# KiCad board srvant-mk2.kicad_pcb
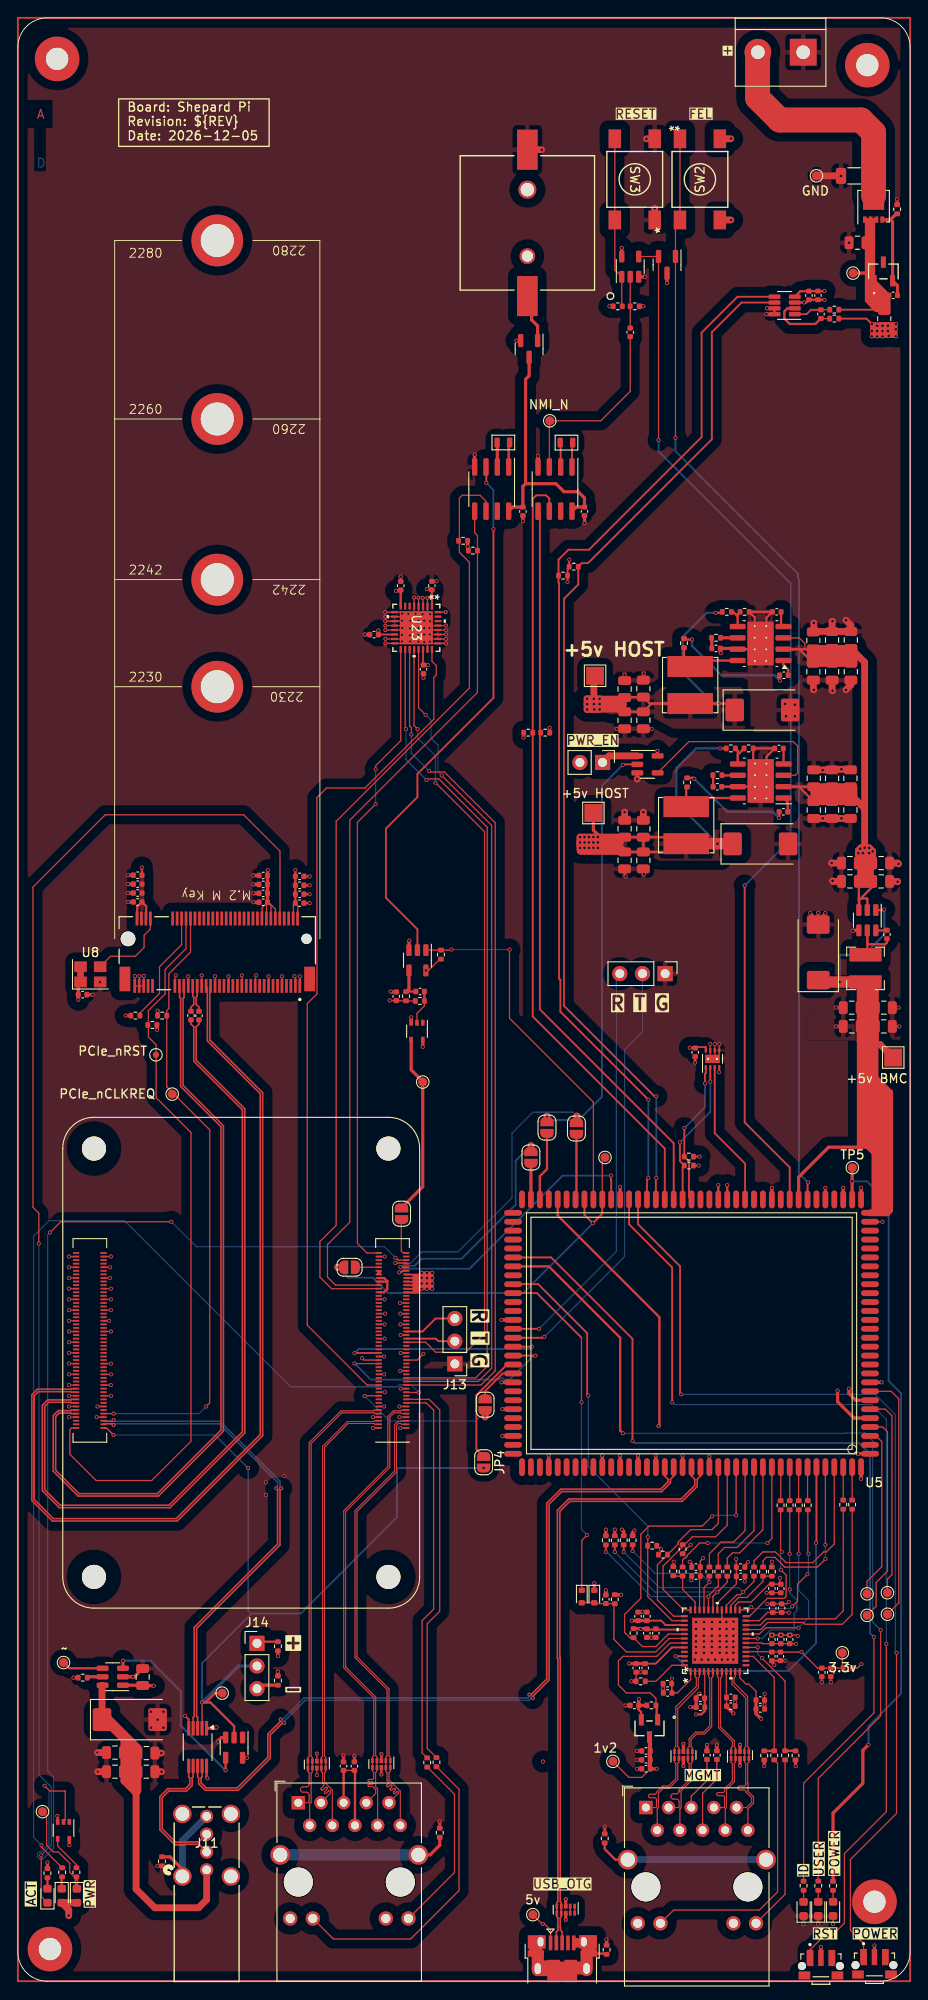
[diagram p0: board, top side]
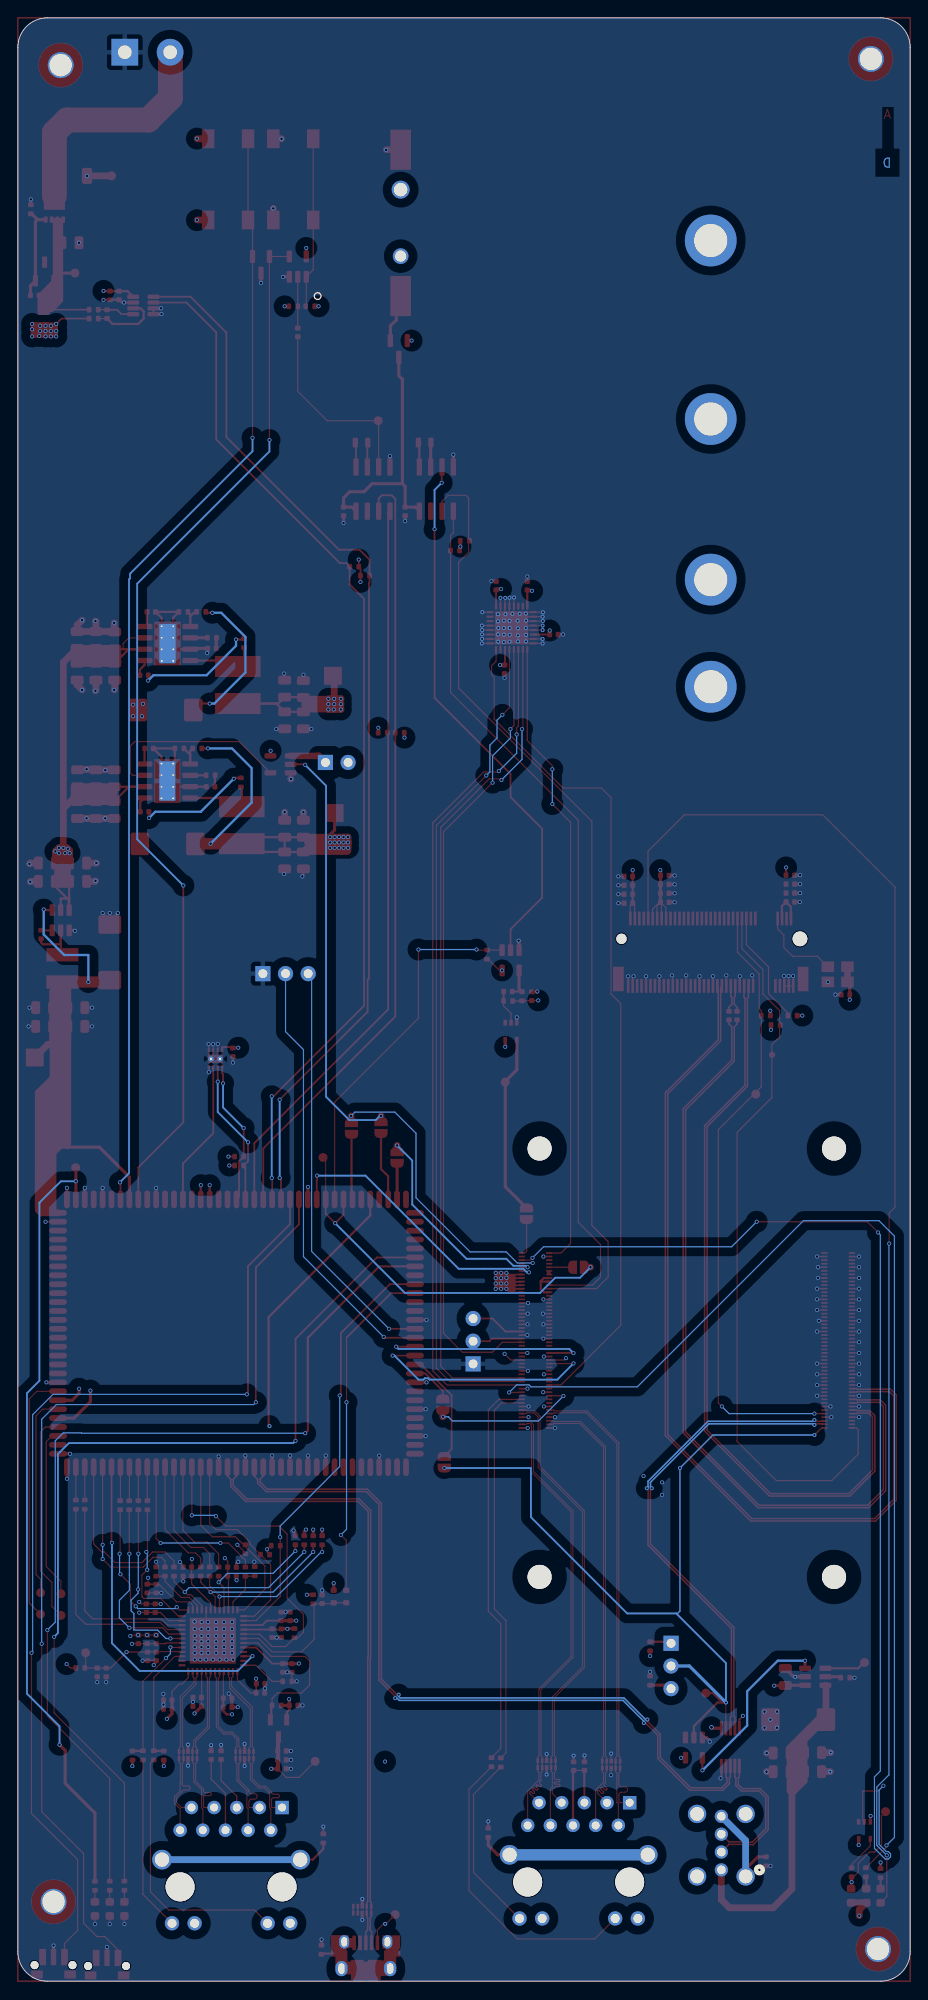
[diagram p1: board, bottom side, seen from below]

Outline 100 x 220 mm; copper layers: Top, In1.Cu (gnd) (plane), In2.Cu (pwr+signal), In3.Cu (pwr) (plane), In4.Cu (gnd) (plane), Bottom. Coordinates in mm from the lower left corner of the outline.
Outline path: 0,216.7 0,3.3 arc(0.97,0.97) 3.3,0 96.7,0 arc(99.03,0.97) 100,3.3 100,216.7 arc(99.03,219.03) 96.7,220 3.3,220 arc(0.97,219.03) 0,216.7
Stack: Top 0.035mm / dielectric 0.1mm FR4 er 4.5 / In1.Cu (gnd) 0.0152mm / dielectric 0.5579mm FR4 er 4.5 / In2.Cu (pwr+signal) 0.0152mm / dielectric 0.1mm FR4 er 4.5 / In3.Cu (pwr) 0.035mm / dielectric 0.5579mm FR4 er 4.5 / In4.Cu (gnd) 0.035mm / dielectric 0.1mm FR4 er 4.5 / Bottom 0.035mm

## Placement (name value [footprint] x y rotation side)
BT1  Battery_Cell  [battery-S8411-45R]  57.1 197.02 180 top
C1  100n  [C_1206_3216Metric]  93.72 202.29 180 top
C2  100n  [C_0402_1005Metric]  98.1 188.9 0 top
C3  10u  [C_0805_2012Metric]  94.1 194.8 180 top
C4  10u  [C_0805_2012Metric]  93.25 123.24 180 top
C5  10u  [C_0805_2012Metric]  89.2 131.24 270 top
C6  10u  [C_0805_2012Metric]  93.25 125.29 180 top
C7  10u  [C_0805_2012Metric]  91.25 131.24 270 top
C8  10u  [C_0805_2012Metric]  96.75 123.24 0 top
C9  10u  [C_0805_2012Metric]  89.2 134.79 90 top
C10  10u  [C_0805_2012Metric]  96.75 125.29 0 top
C11  10u  [C_0805_2012Metric]  93.3 134.79 90 top
C12  10u  [C_0805_2012Metric]  91.25 134.79 90 top
C13  10u  [C_0805_2012Metric]  93.3 131.24 270 top
C14  100n  [C_0402_1005Metric]  85.3 138.14 180 top
C15  100n  [C_0402_1005Metric]  97.4 117.29 270 top
C17  1200p  [C_0402_1005Metric]  78.4 133.84 0 top
C18  10u  [C_0805_2012Metric]  93.45 106.99 180 top
C19  10u  [C_0805_2012Metric]  97.05 109.09 0 top
C21  10u  [C_0805_2012Metric]  97.05 106.99 0 top
C22  10u  [C_0805_2012Metric]  93.45 109.09 180 top
C23  10u  [C_0805_2012Metric]  68 129.14 90 top
C24  100u  [CP_EIA-7343-31_Kemet-D]  89.7 115.29 90 top
C25  10u  [C_0805_2012Metric]  70.1 129.14 90 top
C26  10u  [C_0805_2012Metric]  70.1 125.59 270 top
C27  10u  [C_0805_2012Metric]  68 125.59 270 top
C28  100u  [CP_EIA-7343-31_Kemet-D]  83.21 127.44 0 top
C29  100n  [C_0402_1005Metric]  90 186.8 270 top
C30  10u  [C_0402_1005Metric]  88.66 188.89 270 top
C31  100n  [C_0402_1005Metric]  89.67 188.89 270 top
C32  100n  [C_0402_1005Metric]  63.5 164.7 90 top
C33  10u  [C_0402_1005Metric]  86.5 38.3 90 top
C34  100n  [C_0402_1005Metric]  84.6 41.8 90 top
C35  100n  [C_0402_1005Metric]  84.5 44 270 top
C36  100n  [C_0402_1005Metric]  85.6 41.8 90 top
C37  100n  [C_0402_1005Metric]  68.63 184.76 270 top
C38  100n  [C_0402_1005Metric]  81 46.4 0 top
C39  100n  [C_0402_1005Metric]  85.5 44 270 top
C40  100n  [C_0402_1005Metric]  77.22 25.33 90 top
C41  100n  [C_0402_1005Metric]  81 45.36 0 top
C42  1u  [C_0402_1005Metric]  31.58 122.8 0 top
C43  100n  [C_0402_1005Metric]  85.5 38.3 90 top
C44  100n  [C_0402_1005Metric]  78.34 25.33 90 top
C45  100n  [C_0402_1005Metric]  79.91 30.82 0 top
C46  100n  [C_0402_1005Metric]  70.3 35.1 270 top
C47  100n  [C_0402_1005Metric]  70.5 40.88 90 top
C48  100n  [C_0402_1005Metric]  76.49 31.72 180 top
C49  10u  [C_0402_1005Metric]  69.3 35.1 270 top
C50  100n  [C_0402_1005Metric]  69.5 40.88 90 top
C51  100n  [C_0402_1005Metric]  79.9 31.8 0 top
C52  10u  [C_0402_1005Metric]  76.5 30.7 180 top
C53  10u  [C_0402_1005Metric]  65.9 42.8 90 top
C54  10u  [C_0402_1005Metric]  91.1 34.6 270 top
C55  10u  [C_0402_1005Metric]  69.1 30.9 180 top
C56  10u  [C_0402_1005Metric]  90.1 34.6 270 top
C57  100n  [C_0402_1005Metric]  83.2 31.5 0 top
C58  100n  [C_0402_1005Metric]  7.25 110.55 0 top
C59  100n  [C_0402_1005Metric]  76 45.4 180 top
C60  100n  [C_0402_1005Metric]  83.2 30.5 0 top
C61  100n  [C_0402_1005Metric]  85.46 36.4 270 top
C62  100n  [C_0402_1005Metric]  72.82 32.3 180 top
C63  100n  [C_0402_1005Metric]  84.5 36.4 270 top
C64  100n  [C_0402_1005Metric]  72.79 33.34 180 top
C65  100n  [C_0402_1005Metric]  71.5 39 270 top
C66  100n  [C_0402_1005Metric]  70.49 39 270 top
C67  100n  [C_0402_1005Metric]  19.4 108.2 90 top
C68  100n  [C_0402_1005Metric]  20.3 108.2 90 top
C69  100n  [C_0402_1005Metric]  85.8 131.04 180 top
C70  10u  [C_0805_2012Metric]  13.99 34.09 90 top
C74  100u  [CP_EIA-7343-31_Kemet-D]  12.55 29.31 0 top
C75  10u  [C_0805_2012Metric]  14.4 25.56 0 top
C77  10u  [C_0805_2012Metric]  14.4 23.48 0 top
C79  10u  [C_0805_2012Metric]  10.88 23.48 180 top
C81  10u  [C_0805_2012Metric]  10.88 25.61 180 top
C82  100n  [C_0402_1005Metric]  75.91 104.08 270 top
C83  10u  [C_0402_1005Metric]  31.58 123.8 0 top
C84  1n  [C_0402_1005Metric]  31.58 120.8 0 top
C85  10u  [C_0402_1005Metric]  27.5 123.9 180 top
C86  1u  [C_0402_1005Metric]  27.5 122.9 180 top
C87  100n  [C_0402_1005Metric]  27.5 121.9 180 top
C88  100n  [C_0402_1005Metric]  56.6 164.7 270 top
C89  100n  [C_0402_1005Metric]  42.41 110.37 90 top
C90  100n  [C_0402_1005Metric]  45.08 110.9 180 top
C91  1n  [C_0402_1005Metric]  27.5 120.9 180 top
C92  10u  [C_0402_1005Metric]  13.43 123.93 180 top
C93  1u  [C_0402_1005Metric]  13.43 122.93 180 top
C94  1u  [C_0402_1005Metric]  42.91 156.37 90 top
C95  100n  [C_0402_1005Metric]  46.4 156.37 270 top
C96  100n  [C_0402_1005Metric]  45.46 147 90 top
C97  100n  [C_0402_1005Metric]  39.92 150.89 0 top
C98  100n  [C_0402_1005Metric]  13.43 121.93 180 top
C99  1n  [C_0402_1005Metric]  13.43 120.93 180 top
C102  100n  [C_0402_1005Metric]  31.58 121.8 0 top
C104  100n  [C_0402_1005Metric]  37.72 24.1 90 top
C105  100n  [C_0402_1005Metric]  36.5 24.1 90 top
C106  10u  [C_0805_2012Metric]  91.25 146.74 270 top
C107  10u  [C_0805_2012Metric]  91.25 150.29 90 top
C108  10u  [C_0805_2012Metric]  93.35 146.74 270 top
C109  10u  [C_0805_2012Metric]  93.35 150.29 90 top
C110  10u  [C_0805_2012Metric]  89.15 146.74 270 top
C111  100n  [C_0402_1005Metric]  85.85 146.34 180 top
C112  100n  [C_0402_1005Metric]  85.05 153.44 180 top
C114  1200p  [C_0402_1005Metric]  78.25 149.34 0 top
C116  10u  [C_0805_2012Metric]  70.1 144.84 90 top
C117  10u  [C_0805_2012Metric]  70.1 141.29 270 top
C118  10u  [C_0805_2012Metric]  68 144.79 90 top
C119  10u  [C_0805_2012Metric]  68 141.29 270 top
C120  100u  [CP_EIA-7343-31_Kemet-D]  83.45 142.44 0 top
C121  10u  [C_0805_2012Metric]  89.15 150.24 90 top
C122  100n  [C_0402_1005Metric]  76 46.4 180 top
C123  100n  [C_0402_1005Metric]  84.5 38.3 90 top
C124  10u  [C_0402_1005Metric]  70.4 25.8 180 top
C125  1u  [C_0402_1005Metric]  70.4 24.8 180 top
C126  100n  [C_0402_1005Metric]  70.4 23.8 180 top
D1  MMBZ5242BLT3G  [SOT-23-3_1P4X3P040_ONS]  97 191.58 0 top
D2  BAT54C-7-F  [SOT-23]  57.3 182.9 270 top
D3  LED  [LED_0603_1608Metric]  89.7 8.1 90 top
D4  LED  [LED_0603_1608Metric]  88.06 8.1 90 top
D5  1N4148  [D_SOD-523]  64.6 43.1 270 top
D6  1N4148  [D_SOD-523]  63.2 43.1 270 top
D7  LED Green  [LED_0603_1608Metric]  4.92 9.58 270 top
D8  LED Red  [LED_0603_1608Metric]  6.62 9.58 270 top
D9  PESD2USB5UX-T  [SOT-23]  72.75 192.33 270 top
D10  LED  [LED_0603_1608Metric]  3.32 9.58 90 top
D11  POWER  [LED_0603_1608Metric]  91.36 8.1 90 top
FB1  220R  [R_0402_1005Metric]  65.98 3.52 270 top
FB2  220R  [R_0402_1005Metric]  93 35.1 0 top
FB4  220R  [R_0402_1005Metric]  16.15 13.43 270 top
FB5  220R  [R_0402_1005Metric]  65.77 16 270 top
FB8  220R  [R_0402_1005Metric]  47.28 16.64 90 top
H4  MountingHole  [MountingHole_2.5mm_Pad_TopOnly]  4.4 215.4 0 top
H5  MountingHole  [MountingHole_2.5mm_Pad_TopOnly]  3.6 3.6 0 top
H6  MountingHole  [MountingHole_2.5mm_Pad_TopOnly]  96 8.9 0 top
H7  MountingHole  [MountingHole_2.5mm_Pad_TopOnly]  95.2 214.7 0 top
J2  Conn_01x02  [PinHeader_1x02_P2.54mm_Vertical]  65.53 136.57 270 top
J3  Conn_01x03  [PinHeader_1x03_P2.54mm_Vertical]  72.54 112.9 270 top
J4  USB_OTG  [USB_Micro-B_Amphenol_10103594-0001LF_Horizontal]  61.02 2.53 0 top
J5  ARJM11  [RJ45_Wuerth_7499111446_Horizontal]  70.38 19.46 0 top
J8  Bus_M.2_Socket_M  [M.2 M Key socket_rpi]  22.35 116.8 180 top
J9  ARJM11  [RJ45_Wuerth_7499111446_Horizontal]  31.43 20 0 top
J11  USB A  [CONN_GSB19110KEU_AMP]  21.16 12.47 0 top
J12  Screw_Terminal_01x02  [TerminalBlock_bornier-2_P5.08mm]  88.02 216.15 180 top
J13  Conn_01x03  [PinHeader_1x03_P2.54mm_Vertical]  48.97 69.18 180 top
J14  Conn_01x03  [PinHeader_1x03_P2.54mm_Vertical]  26.8 37.86 0 top
JP1  SolderJumper_2_Open  [SolderJumper-2_P1.3mm_Open_RoundedPad1.0x1.5mm]  43 86 270 top
JP2  SolderJumper_2_Open  [SolderJumper-2_P1.3mm_Open_RoundedPad1.0x1.5mm]  52.37 64.6 270 top
JP3  SolderJumper_2_Open  [SolderJumper-2_P1.3mm_Open_RoundedPad1.0x1.5mm]  62.6 95.55 90 top
JP4  SolderJumper_2_Open  [SolderJumper-2_P1.3mm_Open_RoundedPad1.0x1.5mm]  52.2 58.15 270 top
JP5  SolderJumper_2_Open  [SolderJumper-2_P1.3mm_Open_RoundedPad1.0x1.5mm]  59.3 95.65 90 top
JP6  SolderJumper_2_Open  [SolderJumper-2_P1.3mm_Open_RoundedPad1.0x1.5mm]  57.5 92.3 90 top
JP7  SolderJumper_2_Open  [SolderJumper-2_P1.3mm_Open_RoundedPad1.0x1.5mm]  37.17 80 180 top
L1  4.7µH  [L_Bourns-SRN4018]  95 113.49 270 top
L2  3.3µH  [L_Bourns_SRN6045TA]  74.9 129.54 270 top
L4  3.3µH  [L_Bourns_SRN6045TA]  75.35 145.24 270 top
Module1  ComputeModule4  [Raspberry-Pi-4-Compute-Module]  41.53 93.3 180 top
MOSFET1  DMP3098LQ-7  [SOT-23_DMP3098LQ_DIO]  70.79 28.33 180 top
Q1  DMP3013SFV-7  [Diodes_PowerDI3333-8]  95.9 198.89 90 top
R1  12K  [R_0402_1005Metric]  98.54 198.55 90 top
R2  0.005R  [R_0805_2012Metric]  97.1 186.3 270 top
R4  20K  [R_0402_1005Metric]  78.4 135.14 180 top
R5  115K  [R_0402_1005Metric]  79.9 138.14 0 top
R6  22.1K  [R_0402_1005Metric]  81.9 138.14 0 top
R7  10R  [R_0402_1005Metric]  91.5 187.3 180 top
R8  10R  [R_0402_1005Metric]  91.5 186.3 180 top
R9  10K  [R_0402_1005Metric]  61.1 157.5 180 top
R10  10K  [R_0402_1005Metric]  62.3 158.5 0 top
R11  10K  [R_0402_1005Metric]  57.2 139.9 0 top
R12  10K  [R_0402_1005Metric]  59.1 139.9 0 top
R13  1K  [R_0402_1005Metric]  89.7 10.7 90 top
R14  1K  [R_0402_1005Metric]  88.06 10.7 90 top
R15  330R  [R_0402_1005Metric]  84.77 25.31 90 top
R16  10R  [R_0402_1005Metric]  75 134.33 270 top
R17  330R  [R_0402_1005Metric]  85.98 25.31 90 top
R18  22R  [R_0402_1005Metric]  86.5 53.33 90 top
R19  22R  [R_0402_1005Metric]  87.52 53.33 90 top
R20  22R  [R_0402_1005Metric]  93.5 53.4 90 top
R21  22R  [R_0402_1005Metric]  92.5 53.4 90 top
R22  22R  [R_0402_1005Metric]  85.48 53.33 90 top
R23  22R  [R_0402_1005Metric]  88.53 53.33 90 top
R24  10K  [R_0402_1005Metric]  66.9 42.8 90 top
R25  10K  [R_0402_1005Metric]  69 39 270 top
R28  1K  [R_0402_1005Metric]  68.9 49.41 90 top
R29  6.04K  [R_0402_1005Metric]  69.8 33.6 0 top
R30  10K  [R_0402_1005Metric]  65.9 49.4 270 top
R33  1K  [R_0402_1005Metric]  73.45 45.95 90 top
R34  10K  [R_0402_1005Metric]  66.9 49.4 270 top
R36  22R  [R_0402_1005Metric]  74.5 45.9 270 top
R37  22R  [R_0402_1005Metric]  77.5 45.9 270 top
R38  22R  [R_0402_1005Metric]  78.5 45.9 270 top
R39  22R  [R_0402_1005Metric]  79.5 45.9 270 top
R40  22R  [R_0402_1005Metric]  82.5 45.9 270 top
R41  22R  [R_0402_1005Metric]  83.52 45.9 270 top
R42  10K  [R_0402_1005Metric]  67.9 49.41 270 top
R44  10K  [R_0402_1005Metric]  83.65 25.29 90 top
R46  10K  [R_0402_1005Metric]  71.1 48.8 180 top
R47  1K  [R_0402_1005Metric]  72.3 47.8 0 top
R48  1K  [R_0402_1005Metric]  74.5 48.4 90 top
R50  1K  [R_0402_1005Metric]  84.5 45.9 90 top
R51  10K  [R_0402_1005Metric]  87.15 25.29 90 top
R53  15K  [R_0402_1005Metric]  7.27 34.01 180 top
R54  10K  [R_0402_1005Metric]  29.15 37.53 270 top
R56  10K  [R_0402_1005Metric]  16.17 108.2 180 top
R57  510K  [R_0402_1005Metric]  43.51 110.37 270 top
R59  510K  [R_0402_1005Metric]  45.05 109.83 180 top
R60  1K  [R_0402_1005Metric]  4.96 12.2 90 top
R61  10K  [R_0402_1005Metric]  15.08 107.15 0 top
R62  22R  [R_0402_1005Metric]  74.65 149.94 270 top
R63  12K  [R_0402_1005Metric]  78.25 150.54 180 top
R64  47K  [R_0402_1005Metric]  79.45 153.44 0 top
R65  1K  [R_0402_1005Metric]  6.56 12.2 90 top
R66  470R  [R_0402_1005Metric]  46.92 24.54 90 top
R67  470R  [R_0402_1005Metric]  45.88 24.51 90 top
R68  10K  [R_0402_1005Metric]  13.17 108.2 180 top
R69  15K  [R_0402_1005Metric]  81.45 153.44 0 top
R70  1K  [R_0402_1005Metric]  91.36 10.69 90 top
R71  10K  [R_0402_1005Metric]  75.2 91.4 0 top
R72  10K  [R_0402_1005Metric]  75.2 92.4 0 top
R73  10K  [R_0402_1005Metric]  67.23 187.68 0 top
R74  330R  [R_0402_1005Metric]  3.32 12.11 270 top
R75  3.3K  [R_0402_1005Metric]  49.9 161.4 0 top
R76  3.3K  [R_0402_1005Metric]  51 160.3 0 top
R77  10K  [R_0402_1005Metric]  69.13 187.68 180 top
R78  10K  [R_0402_1005Metric]  47.42 115.03 270 top
R79  100K  [R_0402_1005Metric]  71 30.9 0 top
R80  10K  [R_0402_1005Metric]  29.15 33.68 270 top
SW1  POWER  [button-SW_TL3340AF160QG]  96 1.8 0 top
SW2  FEL  [SW4_FSM-5P23_TEC]  76.44 201.9 90 top
SW3  RST  [SW4_FSM-5P23_TEC]  69.13 201.9 270 top
SW4  HOST_RESET  [button-SW_TL3340AF160QG]  90 1.7 0 top
TP1  VIN  [TestPoint_Pad_D1.0mm]  93.6 191.4 90 top
TP2  +5v HOST  [TestPoint_Pad_2.0x2.0mm]  64.5 130.9 0 top
TP3  GND  [TestPoint_Pad_D1.0mm]  89.5 202.3 90 top
TP4  1v2  [TestPoint_Pad_D1.0mm]  66.69 24.63 180 top
TP5  3.3v BMC  [TestPoint_Pad_D1.0mm]  93.52 91.16 0 top
TP7  MS  [TestPoint_Pad_D1.0mm]  95.17 43.41 0 top
TP8  DI  [TestPoint_Pad_D1.0mm]  95.17 40.99 0 top
TP9  DO  [TestPoint_Pad_D1.0mm]  97.46 43.53 0 top
TP10  PHY_AVDDH(3.3v)  [TestPoint_Pad_D1.0mm]  92.4 36.8 180 top
TP11  TestPoint  [TestPoint_Pad_D1.0mm]  2.76 19 0 top
TP13  CK  [TestPoint_Pad_D1.0mm]  97.46 41.12 0 top
TP14  PCIe_nCLKREQ  [TestPoint_Pad_D1.0mm]  17.3 99.4 180 top
TP15  PCIe_nRST  [TestPoint_Pad_D1.0mm#2]  15.47 103.8 180 top
TP16  +5v BMC  [TestPoint_Pad_2.0x2.0mm]  98.1 103.5 0 top
TP17  5v OTG  [TestPoint_Pad_D1.0mm]  57.71 7.46 0 top
TP18  ~  [TestPoint_Pad_D1.0mm]  5.12 35.7 0 top
TP19  NMI_N  [TestPoint_Pad_D1.0mm]  59.61 174.85 180 top
TP20  PCIe_nRST  [TestPoint_Pad_D1.0mm]  45.38 100.75 0 top
TP21  PCIe_nRST  [TestPoint_Pad_D1.0mm]  65.8 92.3 0 top
TP22  PCIe_nRST  [TestPoint_Pad_D1.0mm]  22.9 32.28 0 top
TP23  +5v HOST  [TestPoint_Pad_2.0x2.0mm]  64.69 146.28 270 top
U1  AP63205WU  [TSOT-23-6]  95.2 118.89 270 top
U2  AP64501SP-13  [SOIC-8-1EP_3.9x4.9mm_P1.27mm_EP2.95x4.9mm_Mask2.71x3.4mm_ThermalVias]  83.25 134.49 180 top
U3  74AHC1G32  [SOT-23-5]  70.56 136.35 0 top
U4  INA219AxDCN  [SOT-23-8]  85.94 187.78 180 top
U5  -  [rp-t113-s3]  94.5 57.6 180 top
U6  PCF85063AT/AAZ  [SOIC-8_3.9x4.9mm_P1.27mm]  60.2 167.2 270 top
U7  TPD4EUSB30  [USON-10_2.5x1.0mm_P0.5mm]  61.4 8.01 270 top
U8  ASEK-32.768KHZ-L-R-T  [Crystal_SMD_3225-4Pin_3.2x2.5mm]  8.12 112.83 0 top
U10  TPD4EUSB30  [USON-10_2.5x1.0mm_P0.5mm]  80.93 25.34 90 top
U11  TPD4EUSB30  [USON-10_2.5x1.0mm_P0.5mm]  74.59 25.35 90 top
U12  KSZ9131RNXI-TR  [QFN48_NX_MCH]  78.15 38.15 90 top
U13  74AHC1G04  [SOT-23-5]  24.23 26.17 270 top
U14  AP22653W6  [SOT-23-6]  10.63 34.11 180 top
U15  FSUSB42MUX  [MSOP-10_3x3mm_P0.5mm]  20.15 26.23 270 top
U17  PCF85063AT/AAZ  [SOIC-8_3.9x4.9mm_P1.27mm]  53.1 167.2 270 top
U18  74LVC1G07SE-7  [SOT-353_SC-70-5]  5.12 16.91 270 top
U19  TPD4EUSB30  [USON-10_2.5x1.0mm_P0.5mm]  40.74 24.33 270 top
U20  TPD4EUSB30  [USON-10_2.5x1.0mm_P0.5mm]  33.51 24.27 270 top
U21  74LVC1G07SE-7  [SOT-353_SC-70-5]  44.73 106.45 270 top
U22  TMP1075DSG  [WSON-8-1EP_2x2mm_P0.5mm_EP0.9x1.6mm_ThermalVias]  77.85 103.35 90 top
U23  SLB9670VQ20FW785XTMA1  [QFN32_SLB9670VQ20FW785XTMA1_INF]  44.66 151.65 270 top
U24  74AHC1G08  [SOT-23-5]  44.78 114.4 270 top
U25  74AHC1G08  [SOT-23-5]  68.63 192.12 90 top
U26  AP64501SP-13  [SOIC-8-1EP_3.9x4.9mm_P1.27mm_EP2.95x4.9mm_Mask2.71x3.4mm_ThermalVias]  83.23 149.89 180 top
Y1  X32K768S301  [Crystal_SMD_2012-2Pin_2.0x1.2mm]  61.48 172.4 0 top
Y3  X32K768S301  [Crystal_SMD_2012-2Pin_2.0x1.2mm]  54.41 172.42 0 top

## Library data of the parts
BT1 = -: Field14: *; Field15: Copyright 2016 Accelerated Designs. All rights reserved.; Field16: *
C1 = -: Datasheet: https://psearch.en.murata.com/capacitor/product/GRM155R62A104KE14%23.pdf; Part Description: 0.1uF 10% 100V Ceramic Capacitor X5R 0402 (1005 Metric); farnell#: 2611907; manf#: GRM155R62A104KE14; ki_fp_filters: C_*
C2 C31 = -: Datasheet: SRN4018-4R7M; Part Description: 0.1uF 10% 16V Ceramic Capacitor X7R 0402 (1005 Metric); farnell#: 2611911; manf#: GRM155R71C104KA88; ki_fp_filters: C_*
C3-C13 C30 C33 C49 C52-C54 C56 = -: Datasheet: https://www.murata.com/en-global/products/productdetail.aspx?partno=GRM21BC8YA106ME11%23; Part Description: 10uF 10% or 20% 35V Ceramic Capacitor X6S 0805 (2012 Metric); digikey#: 490-10505-1-ND; manf#: GRM21BC8YA106KE11L; ki_fp_filters: C_*
C14 C15 C29 C34-C36 C38-C41 C43-C48 C50 C51 C57 C60-C66 C82 = -: Datasheet: SRN4018-4R7M; Part Description: 0.1uF 10% 16V Ceramic Capacitor X7R 0402 (1005 Metric); digikey#: EMK105B7104KV-F; farnell#: 2611911; manf#: GRM155R71C104KA88; mouser#: 963-EMK105B7104KV-F; ki_fp_filters: C_*
C17 = -: Datasheet: http://www.farnell.com/datasheets/2734135.pdf?_ga=2.259347658.1738794919.1588350964-1787849031.1568210898&_gac=1.15394434.1588350964.EAIaIQobChMIgrHHs4yT6QIVxevtCh39TA_nEAAYASAAEgK8PfD_BwE; Part Description: 1200pF 10% 10V Ceramic Capacitor X5R 0402 (1005 Metric); digikey#: 490-16429-1-ND; manf#: GCM155R71H122KA37D; ki_fp_filters: C_*
C18 C19 C21-C23 C25-C27 = -: Datasheet: https://search.murata.co.jp/Ceramy/image/img/A01X/G101/ENG/GRM21BR71A106KA73-01.pdf; Field5: 490-10505-1-ND; Field6: GRM21BC8YA106KE11L; Field7: Murata; Field8: 111893011; Part Description: 10uF 10% 10V Ceramic Capacitor X7R 0805 (2012 Metric); digikey#: 490-14381-1-ND; manf#: GRM21BR71A106KA73L; ki_fp_filters: C_*
C24 C28 C74 C120 = -: Datasheet: https://www.mouser.co.uk/datasheet/2/281/c90e-1501405.pdf; Part Description: Capacitor, SP-Cap, 100u, 6.3V, 15mR ESR; mouser#: ECASD40J107M015K00; ki_fp_filters: CP_*
C32 C88-C90 C95-C97 C104 C105 = -: Datasheet: SRN4018-4R7M; Field4: Farnell; Field5: 2611911; Field6: RM EMK105 B7104KV-F; Field7: TAIYO YUDEN EUROPE GMBH; Field8: 110091611; Part Description: 0.1uF 10% 16V Ceramic Capacitor X7R 0402 (1005 Metric); ki_fp_filters: C_*
C37 C69 C111 = -: Datasheet: SRN4018-4R7M; Field4: Farnell; Field5: 2611911; Field6: RM EMK105 B7104KV-F; Field7: TAIYO YUDEN EUROPE GMBH; Part Description: 0.1uF 10% 16V Ceramic Capacitor X7R 0402 (1005 Metric); Field8: 110091611; ki_fp_filters: C_*
C42 C86 C93 C125 = -: Datasheet: https://www.farnell.com/datasheets/2710588.pdf; manf#: CL21B105KAFNNNE; farnell#: 3013481; ki_fp_filters: C_*
C55 C106-C110 C121 C124 = -: Datasheet: https://www.murata.com/en-global/products/productdetail.aspx?partno=GRM21BC8YA106ME11%23; Part Description: 10uF 10% or 20% 35V Ceramic Capacitor X6S 0805 (2012 Metric); manf#: GRM21BC8YA106KE11L; digikey#: 490-10505-1-ND; ki_fp_filters: C_*
C58 C67 C68 C87 C98 C102 C126 = -: Datasheet: https://search.murata.co.jp/Ceramy/image/img/A01X/G101/ENG/GRM155R71C104KA88-01.pdf; Part Description: 0.1uF 10% 16V Ceramic Capacitor X7R 0402 (1005 Metric); farnell#: 3582682; manf#: GCM155R71C104KA55D; mouser#: 81-GCM155R71C104KA5D; ki_fp_filters: C_*
C59 C112 C122 C123 = -: Datasheet: SRN4018-4R7M; Part Description: 0.1uF 10% 16V Ceramic Capacitor X7R 0402 (1005 Metric); manf#: GRM155R71C104KA88; digikey#: EMK105B7104KV-F; mouser#: 963-EMK105B7104KV-F; farnell#: 2611911; ki_fp_filters: C_*
C70 C75 C77 C79 C81 = -: Datasheet: https://search.murata.co.jp/Ceramy/image/img/A01X/G101/ENG/GRM21BR71A106KA73-01.pdf; Field4: Digikey; Field5: 490-10505-1-ND; Field6: GRM21BC8YA106KE11L; Field7: Murata; Field8: 111893011; Part Description: 10uF 10% 10V Ceramic Capacitor X7R 0805 (2012 Metric); digikey#: 490-14381-1-ND; manf#: GRM21BR71A106KA73L; ki_fp_filters: C_*
C83 C85 C92 = -: Datasheet: https://search.murata.co.jp/Ceramy/image/img/A01X/G101/ENG/GRM21BR71A106KA73-01.pdf; Field5: 490-10505-1-ND; Field4: Digikey; Field6: GRM21BC8YA106KE11L; Field7: Murata; Part Description: 10uF 10% 10V Ceramic Capacitor X7R 0805 (2012 Metric); Field8: 111893011; digikey#: 490-14381-1-ND; manf#: GRM21BR71A106KA73L; ki_fp_filters: C_*
C84 C91 C99 = -: Datasheet: https://www.we-online.com/katalog/datasheet/885012207033.pdf; manf#: 885012207033; farnell#: 2812395; ki_fp_filters: C_*
C94 = -: Datasheet: xxx; manf#: GRT155C81A105KE01D; mouser#: 81-GRT155C81A105KE1D; ki_fp_filters: C_*
C114 = -: Datasheet: http://www.farnell.com/datasheets/2734135.pdf?_ga=2.259347658.1738794919.1588350964-1787849031.1568210898&_gac=1.15394434.1588350964.EAIaIQobChMIgrHHs4yT6QIVxevtCh39TA_nEAAYASAAEgK8PfD_BwE; Part Description: 1200pF 10% 10V Ceramic Capacitor X5R 0402 (1005 Metric); manf#: GCM155R71H122KA37D; digikey#: 490-16429-1-ND; ki_fp_filters: C_*
C116-C119 = -: Datasheet: https://search.murata.co.jp/Ceramy/image/img/A01X/G101/ENG/GRM21BR71A106KA73-01.pdf; Part Description: 10uF 10% 10V Ceramic Capacitor X7R 0805 (2012 Metric); Field8: 111893011; manf#: GRM21BR71A106KA73L; digikey#: 490-14381-1-ND; Field5: 490-10505-1-ND; Field6: GRM21BC8YA106KE11L; Field7: Murata; ki_fp_filters: C_*
D1 = -: Datasheet: https://diotec.com/tl_files/diotec/files/pdf/datasheets/bzx84c2v4.pdf; Part Description: Zener Diode 12V 225mW 5% Surface Mount SOT-23-3 (TO-236); digikey#: MMBZ5242BLT3GOSCT-ND; ki_fp_filters: D*DO?201*
D2 = -: Datasheet: http://www.farnell.com/datasheets/2861240.pdf?_ga=2.129831176.54358802.1587372871-1787849031.1568210898&_gac=1.175311126.1587399424.EAIaIQobChMInOvF07P36AIVw7HtCh0NWwCeEAAYAyAAEgI0YfD_BwE; Field4: Farnell; Field5: 2306010; Field7: Rohm; Part Description: Diode Array 1 Pair Common Cathode Schottky 30V 200mA (DC) Surface Mount TO-236-3, SC-59, SOT-23-3; ki_fp_filters: SOT?23*